# KiCad board Panel3-copy2.kicad_pcb (continued)
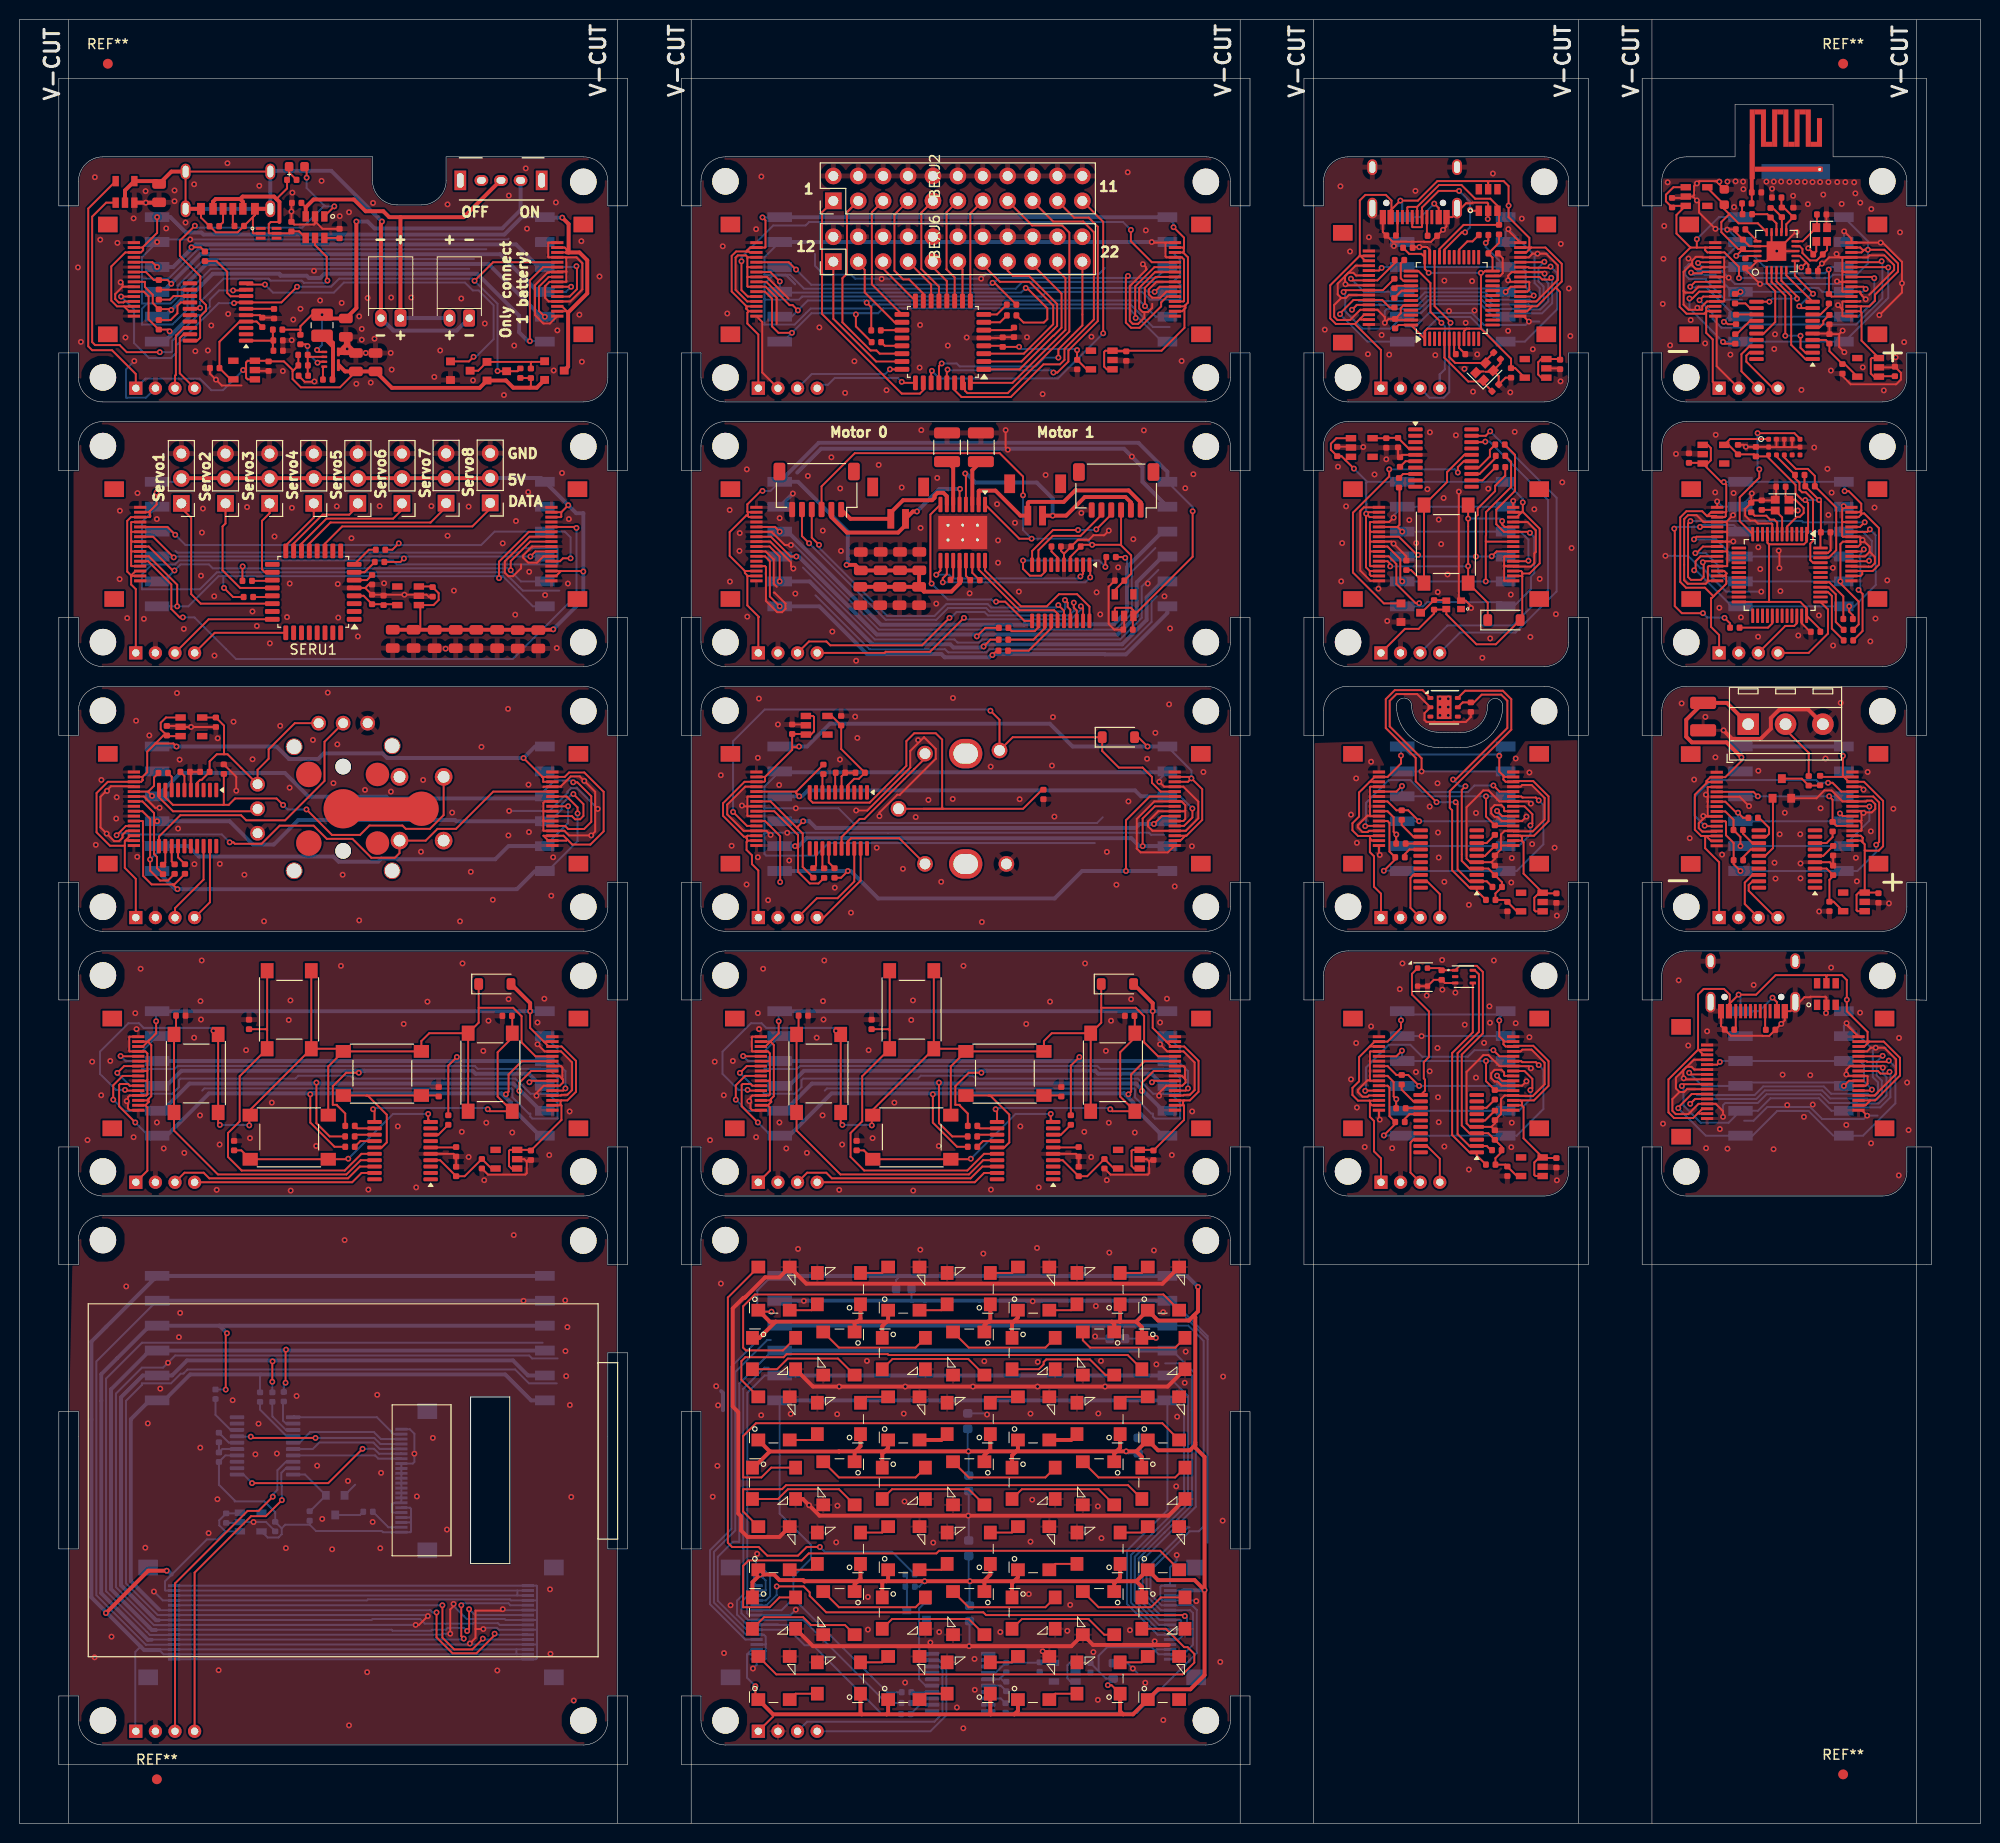
[diagram p0: board, top side]
## Nets (continued)
SCR_Net-(U3-PA6): SCRR4.1 SCRU3.13
SCR_Net-(U3-PA7): SCRR2.1 SCRU3.14
SCR_PS: SCRJ1.3 SCRJ2.4 SCRJ5.5 SCRJ6.5 SCRR1.2
SCR_RESET: SCRJ3.3 SCRU3.15
SCR_S_MISO: SCRU3.10
SCR_S_MOSI: SCRJ3.2 SCRU3.11
SCR_S_SCK: SCRJ3.6 SCRU3.1
SCR_SCLK: SCRJ1.4 SCRJ2.3 SCRJ5.7 SCRJ6.7 SCRR3.2
SCR_SWDCLK: SCRJ4.4 SCRU3.19
SCR_SWDIO: SCRJ4.3 SCRU3.18
SCR_TE: SCRJ3.4 SCRU3.7
SCR_unconnected-(U2-NC-Pad4): SCRU2.4
SCR_VDD: SCRC2.1 SCRC9.1 SCRJ3.17 SCRJ3.19 SCRJ3.20 SCRJ3.22 SCRR7.2 SCRU2.5 SCRU3.4
SER_5V: SERC5.1 SERC6.1 SERC7.1 SERC8.1 SERC10.1 SERC11.1 SERC12.1 SERC13.1 SERC14.1 SERJ1.1 SERJ2.2 SERJ3.6 SERJ4.1 SERJ5.2 SERJ6.2 SERJ7.2 SERJ8.2 SERJ9.2 SERJ10.2 SERJ11.2 SERJ12.2 SERJ12.3 SERJ12.14 SERJ12.15 SERJ13.2 SERJ13.3 SERJ13.14 SERJ13.15 SERU2.1 SERU2.3
SER_GND: SERC3.2 SERC4.2 SERC5.2 SERC6.2 SERC7.2 SERC8.2 SERC9.2 SERC10.2 SERC11.2 SERC12.2 SERC13.2 SERC14.2 SERJ1.2 SERJ2.3 SERJ3.5 SERJ4.2 SERJ5.3 SERJ6.3 SERJ7.3 SERJ8.3 SERJ9.3 SERJ10.3 SERJ11.3 SERJ12.1 SERJ12.4 SERJ12.6 SERJ12.8 SERJ12.10 SERJ12.13 SERJ12.16 SERJ13.1 SERJ13.4 SERJ13.6 SERJ13.8 SERJ13.10 SERJ13.13 SERJ13.16 SERU1.5 SERU2.2
SER_Interrupt5V: SERJ12.12 SERJ13.12
SER_MISO: SERJ1.5 SERJ3.2 SERJ12.9 SERJ13.9 SERR7.2
SER_MOSI: SERJ1.6 SERJ3.1 SERJ12.11 SERJ13.11 SERR8.2
SER_Net-(U1-NRST): SERC4.1 SERU1.6
SER_Net-(U1-PA0): SERR5.1 SERU1.7
SER_Net-(U1-PA1): SERR6.1 SERU1.8
SER_Net-(U1-PA9/NC): SERR7.1 SERU1.19
SER_Net-(U1-PA10/NC): SERR8.1 SERU1.21
SER_PS: SERJ1.3 SERJ3.4 SERJ12.5 SERJ13.5 SERR6.2
SER_PWM1: SERJ2.1 SERU1.22
SER_PWM2: SERJ5.1 SERU1.20
SER_PWM3: SERJ6.1 SERU1.18
SER_PWM4: SERJ7.1 SERU1.16
SER_PWM5: SERJ8.1 SERU1.15
SER_PWM6: SERJ9.1 SERU1.14
SER_PWM7: SERJ10.1 SERU1.13
SER_PWM8: SERJ11.1 SERU1.11
SER_PWM9: SERU1.27
SER_PWM10: SERU1.30
SER_SCLK: SERJ1.4 SERJ3.3 SERJ12.7 SERJ13.7 SERR5.2
SER_SWDCLK: SERJ4.4 SERU1.25
SER_SWDIO: SERJ4.3 SERU1.24
SER_unconnected-(U1-PA2-Pad9): SERU1.9
SER_unconnected-(U1-PA3-Pad10): SERU1.10
SER_unconnected-(U1-PA5-Pad12): SERU1.12
SER_unconnected-(U1-PA12/PA10-Pad23): SERU1.23
SER_unconnected-(U1-PA15-Pad26): SERU1.26
SER_unconnected-(U1-PB2-Pad17): SERU1.17
SER_unconnected-(U1-PB4-Pad28): SERU1.28
SER_unconnected-(U1-PB5-Pad29): SERU1.29
SER_unconnected-(U1-PB7-Pad31): SERU1.31
SER_unconnected-(U1-PB8-Pad32): SERU1.32
SER_unconnected-(U1-PB9-Pad1): SERU1.1
SER_unconnected-(U1-PC14-Pad2): SERU1.2
SER_unconnected-(U1-PC15-Pad3): SERU1.3
SER_unconnected-(U2-NC-Pad4): SERU2.4
SER_VDD: SERC3.1 SERC9.1 SERU1.4 SERU2.5
TMP_5V: TMPC8.1 TMPJ1.1 TMPJ2.6 TMPJ3.2 TMPJ3.3 TMPJ3.14 TMPJ3.15 TMPJ4.1 TMPJ5.2 TMPJ5.3 TMPJ5.14 TMPJ5.15 TMPU2.1 TMPU2.3
TMP_/DAP: TMPU1.7
TMP_GND: TMPC1.2 TMPC2.2 TMPC3.2 TMPC8.2 TMPC9.2 TMPJ1.2 TMPJ2.5 TMPJ3.1 TMPJ3.4 TMPJ3.6 TMPJ3.8 TMPJ3.10 TMPJ3.13 TMPJ3.16 TMPJ4.2 TMPJ5.1 TMPJ5.4 TMPJ5.6 TMPJ5.8 TMPJ5.10 TMPJ5.13 TMPJ5.16 TMPU1.2 TMPU2.2 TMPU3.5
TMP_Interrupt5V: TMPJ3.12 TMPJ5.12
TMP_MISO: TMPJ1.5 TMPJ2.2 TMPJ3.9 TMPJ5.9 TMPR4.2
TMP_MOSI: TMPJ1.6 TMPJ2.1 TMPJ3.11 TMPJ5.11 TMPR2.2
TMP_Net-(U3-NRST): TMPC1.1 TMPU3.6
TMP_Net-(U3-PA1): TMPR1.1 TMPU3.8
TMP_Net-(U3-PA5): TMPR3.1 TMPU3.12
TMP_Net-(U3-PA6): TMPR4.1 TMPU3.13
TMP_Net-(U3-PA7): TMPR2.1 TMPU3.14
TMP_PS: TMPJ1.3 TMPJ2.4 TMPJ3.5 TMPJ5.5 TMPR1.2
TMP_SCL: TMPR6.2 TMPU1.6 TMPU3.1
TMP_SCLK: TMPJ1.4 TMPJ2.3 TMPJ3.7 TMPJ5.7 TMPR3.2
TMP_SDA: TMPR5.2 TMPU1.1 TMPU3.2
TMP_SWDCLK: TMPJ4.4 TMPU3.19
TMP_SWDIO: TMPJ4.3 TMPU3.18
TMP_unconnected-(U1-NC-Pad3): TMPU1.3
TMP_unconnected-(U1-NC-Pad4): TMPU1.4
TMP_unconnected-(U2-NC-Pad4): TMPU2.4
TMP_unconnected-(U3-PA0-Pad7): TMPU3.7
TMP_unconnected-(U3-PA2-Pad9): TMPU3.9
TMP_unconnected-(U3-PA3-Pad10): TMPU3.10
TMP_unconnected-(U3-PA4-Pad11): TMPU3.11
TMP_unconnected-(U3-PA11/PA9-Pad16): TMPU3.16
TMP_unconnected-(U3-PA12/PA10-Pad17): TMPU3.17
TMP_unconnected-(U3-PB0/PB1/PB2/PA8-Pad15): TMPU3.15
TMP_unconnected-(U3-PB3/PB4/PB5/PB6-Pad20): TMPU3.20
TMP_unconnected-(U3-PC15-Pad3): TMPU3.3
TMP_VDD: TMPC2.1 TMPC3.1 TMPC9.1 TMPR5.1 TMPR6.1 TMPU1.5 TMPU2.5 TMPU3.4
USB_5V: USBC8.1 USBIC1.5 USBJ1.1 USBJ2.A4 USBJ2.A9 USBJ2.B4 USBJ2.B9 USBJ3.6 USBJ4.1 USBJ5.2 USBJ5.3 USBJ5.14 USBJ5.15 USBJ6.2 USBJ6.3 USBJ6.14 USBJ6.15 USBU2.1 USBU2.3
USB_GND: USBC1.2 USBC2.2 USBC4.1 USBC5.2 USBC6.1 USBC7.1 USBC8.2 USBC9.2 USBIC1.2 USBJ1.2 USBJ2.A1 USBJ2.A12 USBJ2.B1 USBJ2.B12 USBJ2.S1 USBJ3.5 USBJ4.2 USBJ5.1 USBJ5.4 USBJ5.6 USBJ5.8 USBJ5.10 USBJ5.13 USBJ5.16 USBJ6.1 USBJ6.4 USBJ6.6 USBJ6.8 USBJ6.10 USBJ6.13 USBJ6.16 USBR1.2 USBR2.1 USBU1.8 USBU1.23 USBU1.35 USBU1.44 USBU1.47 USBU2.2 USBY2.2 USBY2.4
USB_Interrupt5V: USBJ5.12 USBJ6.12
USB_MISO: USBJ1.5 USBJ3.2 USBJ5.9 USBJ6.9 USBR6.2
USB_MISO_UC: USBR6.1 USBU1.40
USB_MOSI: USBJ1.6 USBJ3.1 USBJ5.11 USBJ6.11 USBR4.2
USB_MOSI_UC: USBR4.1 USBU1.41
USB_Net-(J2-CC1): USBJ2.A5 USBR1.1
USB_Net-(J2-CC2): USBJ2.B5 USBR2.2
USB_Net-(U1-NRST): USBC4.2 USBU1.7
USB_OSC_IN: USBC6.2 USBU1.5 USBY2.1
USB_OSC_OUT: USBC7.2 USBU1.6 USBY2.3
USB_PS: USBJ1.3 USBJ3.4 USBJ5.5 USBJ6.5 USBR5.2
USB_PS_UC: USBR5.1 USBU1.29
USB_SCLK: USBJ1.4 USBJ3.3 USBJ5.7 USBJ6.7 USBR7.2
USB_SCLK_UC: USBR7.1 USBU1.39
USB_SWDCLK: USBJ4.4 USBU1.37
USB_SWDIO: USBJ4.3 USBU1.34
USB_unconnected-(IC1-I/04-Pad6): USBIC1.6
USB_unconnected-(IC1-I/O3-Pad4): USBIC1.4
USB_unconnected-(J2-SBU1-PadA8): USBJ2.A8
USB_unconnected-(J2-SBU2-PadB8): USBJ2.B8
USB_unconnected-(U1-PA0-Pad10): USBU1.10
USB_unconnected-(U1-PA1-Pad11): USBU1.11
USB_unconnected-(U1-PA2-Pad12): USBU1.12
USB_unconnected-(U1-PA3-Pad13): USBU1.13
USB_unconnected-(U1-PA4-Pad14): USBU1.14
USB_unconnected-(U1-PA5-Pad15): USBU1.15
USB_unconnected-(U1-PA6-Pad16): USBU1.16
USB_unconnected-(U1-PA7-Pad17): USBU1.17
USB_unconnected-(U1-PA9-Pad30): USBU1.30
USB_unconnected-(U1-PA10-Pad31): USBU1.31
USB_unconnected-(U1-PA15-Pad38): USBU1.38
USB_unconnected-(U1-PB0-Pad18): USBU1.18
USB_unconnected-(U1-PB1-Pad19): USBU1.19
USB_unconnected-(U1-PB2-Pad20): USBU1.20
USB_unconnected-(U1-PB6-Pad42): USBU1.42
USB_unconnected-(U1-PB7-Pad43): USBU1.43
USB_unconnected-(U1-PB8-Pad45): USBU1.45
USB_unconnected-(U1-PB9-Pad46): USBU1.46
USB_unconnected-(U1-PB10-Pad21): USBU1.21
USB_unconnected-(U1-PB11-Pad22): USBU1.22
USB_unconnected-(U1-PB12-Pad25): USBU1.25
USB_unconnected-(U1-PB13-Pad26): USBU1.26
USB_unconnected-(U1-PB14-Pad27): USBU1.27
USB_unconnected-(U1-PB15-Pad28): USBU1.28
USB_unconnected-(U1-PC13-Pad2): USBU1.2
USB_unconnected-(U1-PC14-Pad3): USBU1.3
USB_unconnected-(U1-PC15-Pad4): USBU1.4
USB_unconnected-(U2-NC-Pad4): USBU2.4
USB_USB_D+: USBIC1.3 USBJ2.A6 USBJ2.B6 USBR12.1 USBU1.33
USB_USB_D-: USBIC1.1 USBJ2.A7 USBJ2.B7 USBU1.32
USB_VDD: USBC1.1 USBC2.1 USBC5.1 USBC9.1 USBR12.2 USBU1.1 USBU1.9 USBU1.24 USBU1.36 USBU1.48 USBU2.5
WIR_5V: WIRC8.1 WIRC11.1 WIRJ1.1 WIRJ2.6 WIRJ3.2 WIRJ3.3 WIRJ3.14 WIRJ3.15 WIRJ4.1 WIRJ5.2 WIRJ5.3 WIRJ5.14 WIRJ5.15 WIRU1.1 WIRU1.3 WIRU2.1 WIRU2.3
WIR_GND: WIRAE1.2 WIRC1.2 WIRC2.2 WIRC3.2 WIRC4.2 WIRC5.2 WIRC6.2 WIRC7.2 WIRC8.2 WIRC9.2 WIRC11.2 WIRC12.2 WIRC13.2 WIRC14.2 WIRC15.2 WIRJ1.2 WIRJ2.5 WIRJ3.1 WIRJ3.4 WIRJ3.6 WIRJ3.8 WIRJ3.10 WIRJ3.13 WIRJ3.16 WIRJ4.2 WIRJ5.1 WIRJ5.4 WIRJ5.6 WIRJ5.8 WIRJ5.10 WIRJ5.13 WIRJ5.16 WIRR6.1 WIRU1.2 WIRU2.2 WIRU3.5 WIRU4.8 WIRU4.14 WIRU4.17 WIRU4.20 WIRU4.21 WIRY2.2 WIRY2.4
WIR_Interrupt5V: WIRJ3.12 WIRJ5.12
WIR_MISO: WIRJ1.5 WIRJ2.2 WIRJ3.9 WIRJ5.9 WIRR4.2
WIR_MOSI: WIRJ1.6 WIRJ2.1 WIRJ3.11 WIRJ5.11 WIRR2.2
WIR_Net-(AE1-A): WIRAE1.1 WIRC7.1 WIRC10.2
WIR_Net-(C10-Pad1): WIRC10.1 WIRL3.1
WIR_Net-(U3-NRST): WIRC1.1 WIRU3.6
WIR_Net-(U3-PA1): WIRR1.1 WIRU3.8
WIR_Net-(U3-PA5): WIRR3.1 WIRU3.12
WIR_Net-(U3-PA6): WIRR4.1 WIRU3.13
WIR_Net-(U3-PA7): WIRR2.1 WIRU3.14
WIR_Net-(U4-ANT1): WIRL1.1 WIRL4.2 WIRU4.12
WIR_Net-(U4-ANT2): WIRL1.2 WIRL3.2 WIRU4.13
WIR_Net-(U4-DVDD): WIRC3.1 WIRU4.19
WIR_Net-(U4-IREF): WIRR6.2 WIRU4.16
WIR_Net-(U4-VDD_PA): WIRC4.1 WIRC14.1 WIRL4.1 WIRU4.11
WIR_PS: WIRJ1.3 WIRJ2.4 WIRJ3.5 WIRJ5.5 WIRR1.2
WIR_SCLK: WIRJ1.4 WIRJ2.3 WIRJ3.7 WIRJ5.7 WIRR3.2
WIR_SWDCLK: WIRJ4.4 WIRU3.19
WIR_SWDIO: WIRJ4.3 WIRU3.18
WIR_unconnected-(U1-NC-Pad4): WIRU1.4
WIR_unconnected-(U2-NC-Pad4): WIRU2.4
WIR_unconnected-(U3-PA0-Pad7): WIRU3.7
WIR_unconnected-(U3-PA12/PA10-Pad17): WIRU3.17
WIR_unconnected-(U3-PB0/PB1/PB2/PA8-Pad15): WIRU3.15
WIR_unconnected-(U3-PB3/PB4/PB5/PB6-Pad20): WIRU3.20
WIR_unconnected-(U3-PC15-Pad3): WIRU3.3
WIR_VDD: WIRC2.1 WIRC12.1 WIRU2.5 WIRU3.4
WIR_VDD_NRF: WIRC9.1 WIRC13.1 WIRC15.1 WIRU1.5 WIRU4.7 WIRU4.15 WIRU4.18
WIR_W_CSN: WIRU3.2 WIRU4.2
WIR_W_Enable: WIRU3.16 WIRU4.1
WIR_W_INT: WIRU3.9 WIRU4.6
WIR_W_MISO: WIRU3.10 WIRU4.5
WIR_W_MOSI: WIRU3.11 WIRU4.4
WIR_W_SCK: WIRU3.1 WIRU4.3
WIR_XC13: WIRC5.1 WIRU4.10 WIRY2.1
WIR_XC23: WIRC6.1 WIRU4.9 WIRY2.3

Pads without a net: DIASW7 1 2; MOTJ2 MP; MOTJ6 MP; MOTJ8 0; MOTJ9 0; SCRJ3 A B

## Via types
v1: diameter 0.6, hole 0.3, Top to Bottom, 1157 vias

## Routing (per net, layer and track width the routed paths; a pad name or vN(x,y) marks a point on that pad's centre or on a via; arc(x,y) is an arc through that point)
BAT_5V: length 82.2
  Top w0.2: BATJ3.15 55.6,160.75 55.8,160.55 55.8,160.25 BATJ3.14 ; BATJ3.3 55.32,154.75 55.95,154.12 55.82,154.25 BATJ3.2 ; 10.65,154.75 9.93,154.75 9.35,155.33 9.35,158.82 10.78,160.25 BATJ1.3 12.38,160.25 12.6,160.47 12.6,160.68 12.53,160.75 ; 10.65,154.75 11.15,154.25 BATJ1.15 ; 10.65,154.75 BATJ1.14 ; v1(14.03,163.85) 14.03,162.25 12.53,160.75 ; BATJ1.2 12.53,160.75
  Top w0.4: 55.6,148.2 BATQ6.3 55.95,148.6 55.95,154.12 57.9,156.07 57.9,159.45 57.1,160.25 56,160.25 ; 56,160.25 56,163.15 v1(55.35,163.8) ; 56,160.25 55.8,160.25
  Bottom w0.2: 51.58,163.85 53.58,163.85
  Bottom w0.4: 53.58,163.85 53.62,163.8 v1(55.35,163.8) ; v1(14.03,163.85) 15.39,163.85 16.96,162.28 18.55,162.28 18.75,162.07 49.45,162.07 51.23,163.85 51.58,163.85
BAT_/USB_5V: length 19.7
  Top w0.2: 26.2,165.7 27.28,166.78 BATR16.1 ; 26.5,163.35 25.61,163.35 25.41,163.15 25.41,162.25 25.46,162.2 BATIC1.5 27.52,162.2 BATC13.1 28.51,162.4 BATU8.4
  Top w0.4: BATJ2.A9 19.73,165.43 20,165.7 22.5,165.7 ; 26.5,163.35 26.5,165.4 25.95,165.95 22.75,165.95 22.5,165.7 ; 22.5,165.7 22.77,165.43 BATJ2.B9
BAT_BATTERY_CURRENT: length 35.6
  Top w0.2: v1(14.3,150.07) 10.93,150.07 10.2,150.8 7.7,150.8 7.4,151.1 7.4,163.9 8.82,165.32 BATU6.1 ; v1(21.77,156.38) 23.02,156.38 BATU3.9
  Bottom w0.2: v1(14.3,150.07) 15.47,150.07 15.57,150.18 15.57,151.24 18.18,153.85 18.51,153.85 19.4,154.74 19.4,155.43 20.35,156.38 v1(21.77,156.38)
BAT_CHRG: length 36.1
  Top w0.2: v1(17.88,162.97) 16.35,161.45 16.35,159.9 18.44,157.81 18.43,157.8 18.43,155.47 19.01,154.89 19.01,154.3 18.41,153.7 18.41,151.55 18.11,151.25 BATU3.20 ; 31.08,163.93 31.08,163.93 v1(32.1,164.95) ; BATD2.1 29.27,168.79 v1(29.27,167.88)
  Bottom w0.2: v1(17.88,162.97) 18.07,162.78 28.82,162.78 31.07,165.03 ; 31.07,165.03 31.15,164.95 v1(32.1,164.95) ; 31.07,165.03 29.27,166.82 v1(29.27,167.88)
BAT_ENABLE_5V: length 35.8
  Top w0.2: v1(46.3,149.6) 45.84,149.13 43.95,149.13 ; v1(25.02,156.97) 23.23,156.97 BATU3.10
  Bottom w0.2: v1(46.3,149.6) 46.55,149.6 48.35,151.4 48.35,154.84 46.82,156.38 46.23,156.38 45.42,157.18 33.08,157.18 32.05,156.15 25.85,156.15 v1(25.02,156.97)
BAT_GND: length 225.1
  Top w0.2: v1(10.3,157.2) 10.5,157 10.5,156.75 ; 55.7,159.75 55.77,159.68 55.77,158.28 ; 55.7,159.75 56.8,159.75 57.4,159.15 57.4,156.49 56.16,155.25 BATJ3.4 53.97,155.25 53.6,155.62 53.6,156.8 54.05,157.25 BATJ3.8 55.72,157.25 55.77,157.3 55.77,158.28 ; 55.7,159.75 BATJ3.13 53.97,159.75 53.92,159.8 53.92,161.2 53.97,161.25 BATJ3.16 ; 30.13,163.42 30.13,163.93 30.13,163.42 ; 30.13,163.42 30.89,162.66 BATR17.2 ; 30.13,163.42 30.13,163.19 30.03,163.09 28,163.09 BATC13.2 v1(27.73,164.43) 27.73,165.25 BATC14.2 ; 55.77,158.28 55.75,158.3 54.9,158.3 BATJ3.10 54.05,158.25 54,158.2 53.85,158.2 52.58,156.92 52.58,153.84 53.42,153 54.09,153 BATJ3.1 ; BATC8.2 24.09,148.16 ; BATU3.5 24.5,153.85 BATC2.2 25.86,153.6 BATC1.2 ; 22.63,146.68 20.62,146.68 v1(20.02,147.28) 19.41,147.88 BATC9.2 ; BATR10.2 29.07,147.06 30.04,147.06 v1(30.07,147.09) ; 10.5,156.75 BATJ1.10 ; 10.5,156.75 9.75,156 9.75,155.5 10.1,155.15 10.6,155.15 10.7,155.25 BATJ1.13
  Top w0.4: 33.54,151.03 33.54,150.75 BATC11.2 ; BATC11.2 33.43,149.99 ; BATC11.2 33.43,149.99 ; BATC5.2 33.27,150.81 32.56,150.1 32.68,149.99 33.43,149.99 ; 33.43,149.99 33.11,150.3 33.29,150.47 33.36,150.47 ; BATU6.3 v1(12.88,165.32) 14.19,165.32 BATR13.2 ; 33.54,150.28 v1(33.41,150.41) 33.36,150.45
  Bottom w0.2: 30.15,158.57 19.5,158.57 17.12,156.2 17.12,154.44 15.57,152.89 12.47,152.89 12.47,154.49 13.04,155.05 12.47,155.05 12.47,157.57 ; 30.15,158.57 45.86,158.57 ; 30.15,158.57 30.15,158.5 v1(30.02,158.38) ; 12.47,157.57 12.47,159.76 v1(14.03,161.31) 14.29,161.57 v1(17.4,161.57) 49.8,161.57 49.88,161.65 ; 12.47,157.57 15.18,157.57 18.18,160.57 47.6,160.57 ; 46.35,159.57 18.84,159.57 16.12,156.86 16.12,155.75 15.43,155.05 13.3,155.05 ; v1(11.7,149.18) 10.85,148.32 10.85,145.45 10.88,145.43 12.88,145.43 BATJ4.2
  vias: v1(5.95,158.72) v1(6.25,151.12) v1(7.67,167.93) v1(8.22,161.55) v1(9.97,161.22) v1(10.8,151.57) v1(11.62,163.72) v1(12.85,166.5) v1(14.95,162.7) v1(15.8,166.57) v1(15.8,165.47) v1(16.93,163.3) v1(17.8,167.2) v1(17.93,150.18) v1(19.2,150.25) v1(19.55,152.8) v1(21.2,169.35) v1(21.27,153.97) v1(24.45,167.05) v1(26.85,148.15) v1(27.82,166.35) v1(27.75,151.3) v1(27.91,153.4) v1(28.65,154.5) v1(30.65,155.35) v1(30.8,167.55) v1(32.65,163.95) v1(32.85,155.1) v1(33.6,164.35) v1(34.35,146.85) v1(34.64,153.72) v1(34.9,152.45) v1(34.9,151.35) v1(35.3,150) v1(35.5,155.6) v1(35.81,146.97) v1(36.05,165.3) v1(36.2,151.45) v1(37.9,155.65) v1(37.85,150) v1(37.95,148.3) v1(39.95,155.65) v1(42.3,147.55) v1(42.9,150.25) v1(43.65,165.15) v1(45.05,155.55) v1(46.25,147.2) v1(47.45,153) v1(49.4,145.7) v1(49.9,166.05) v1(50.45,150.75) v1(51.62,168.82) v1(51.75,162.68) v1(54.48,148.21) v1(54.7,165.35) v1(54.85,152.3) v1(57.1,153.9) v1(57.3,161.4) v1(57.35,149.1) v1(59.15,157.8)
BAT_INT_5V: length 82.8
  Top w0.2: BATU6.5 7,164.72 7,150.68 7.4,150.28 9.43,150.28 11.85,147.85 BATJ4.1 ; 36.04,147.85 BATC10.1 36.72,147.7 ; 23.1,148.3 23.05,148.25 v1(22.8,148.25) ; 23.1,148.3 23.1,147.47 23.27,147.3 BATU2.1 ; 23.1,148.3 23.1,149.03 23.27,149.2 BATU2.3 25.34,149.2 25.4,149.13 26.96,149.13 27.9,148.2 ; 52,146.45 52.15,146.6 BATR19.1 51.09,147.44 BATR20.1 ; 32.56,148.75 32.52,148.75 ; 27.9,148.2 27.84,148.13 27.84,147.33 28.69,146.49 32.67,146.49 BATC11.1 ; 27.9,148.2 BATR9.1 28.43,149.78 BATC7.1
  Top w0.4: 32.56,148.75 33.2,148.11 BATC11.1 BATC10.1 37.98,146.44 46.92,146.44 47.67,147.19 49.62,147.19 50.35,146.45 52.75,146.45 BATQ6.2 53.55,147.03
  Bottom w0.2: BATJ4.1 12.82,147.38 18.38,147.38 19.55,146.2 20.75,146.2 v1(22.8,148.25)
BAT_Interrupt5V: length 67.7
  Top w0.2: v1(21.88,155.07) 21.95,155.15 BATU3.7 26.7,155.15 v1(28.3,156.75) ; BATJ3.12 48.3,159.25 v1(46.41,157.36) ; v1(10.35,155.75) BATJ1.12 ; BATR20.2 50.79,148.13 BATQ2.3 48.77,148.13 v1(48.75,148.15)
  Bottom w0.2: v1(48.75,148.15) 48.75,155.01 v1(46.41,157.36) 46.19,157.57 32.6,157.57 31.77,156.75 v1(28.3,156.75) ; v1(10.35,155.75) 11.68,154.43 11.68,151 13.2,149.47 15.44,149.47 15.97,150.01 15.97,150.75 20.3,155.07 v1(21.88,155.07)
BAT_MISO: length 56.1
  Top w0.2: v1(15.47,154.38) 15.38,154.47 BATR4.2 13.58,155.09 13.58,155.93 12.78,156.73 12.78,157.25 BATJ1.9 ; BATJ3.9 53.97,157.75 52.98,156.75 52.98,154.29 v1(53.58,153.69)
  Bottom w0.4: BATJ7.5 14.78,153.69 v1(15.47,154.38) 16.62,155.54 16.62,156.65 19.05,159.07 47.83,159.07 53.21,153.69 v1(53.58,153.69)
BAT_MOSI: length 64.6
  Top w0.2: BATJ3.11 53.4,158.75 52.05,157.4 v1(52.05,151.2) ; BATJ1.11 12.68,156.25 13.15,155.78 13.15,153.43 BATR2.2 15.12,152.38 v1(15.3,152.2)
  Bottom w0.2: 15.34,151.71 15.3,151.75 v1(15.3,152.2) ; 53.58,151.15 53.52,151.2 v1(52.05,151.2)
  Bottom w0.4: v1(52.05,151.2) 51.85,151.2 50.95,152.1 50.95,153.8 46.67,158.07 31.1,158.07 30.68,157.65 29.5,157.65 29.27,157.88 26.62,157.88 26.6,157.9 26.6,157.97 26.5,158.07 19.71,158.07 17.65,156.02 17.65,154.03 14.78,151.15 BATJ7.6
BAT_Net-(D2-A): length 1.7
  Top w0.2: BATD2.2 27.49,168.41 BATR16.2
BAT_Net-(J2-CC1): length 1.8
  Top w0.2: BATR12.1 21.75,163.12 BATJ2.A5
BAT_Net-(J2-CC2): length 1.9
  Top w0.2: BATR11.1 20.75,163.32 BATJ2.B5
BAT_Net-(Q2-G): length 8.7
  Top w0.2: 52.23,149.09 53.48,149.09 BATQ6.1 ; 52.23,149.09 BATQ2.1 46.77,148.19 BATQ5.3 ; 52.23,149.09 52.15,149.01 BATR19.2
BAT_Net-(SW1-B): length 39.4
  Top w0.2: 29.18,164.85 28.75,165.29 BATC14.1
  Top w0.4: 38.85,163.85 37.7,163.85 37.1,164.45 35.3,164.45 34.1,165.65 29.98,165.65 29.18,164.85 29.18,163.93 ; 38.85,163.85 45.3,163.85 49.1,167.65 ; 38.85,163.85 BATJ5.1
  Bottom w0.4: BATJ5.1 BATJ8.2
BAT_Net-(U3-NRST): length 2.9
  Top w0.2: BATC1.1 25.93,154.5 BATU3.6
BAT_Net-(U3-PA1): length 7
  Top w0.2: 23.12,155.78 BATU3.8 23,155.8 22.98,155.78 21.53,155.78 21.18,156.13 21.18,158.28 20.09,159.37 BATR1.1
BAT_Net-(U3-PA5): length 3.2
  Top w0.2: BATU3.12 14.21,156.45 BATR3.1
BAT_Net-(U3-PA6): length 3.3
  Top w0.2: BATU3.13 15.7,155.8 15.34,155.44 14.2,155.44
BAT_Net-(U3-PA7): length 4.4
  Top w0.2: BATU3.14 16.45,155.15 16.09,154.8 16.09,154.04 15.4,153.35 BATR2.1
BAT_Net-(U5-CBST): length 1.4
  Top w0.2: BATC6.2 30.94,148.47 BATU5.1
BAT_Net-(U5-EN): length 3.7
  Top w0.2: BATU5.2 30.49,149.1 v1(30.39,149) ; BATR18.2 29.18,150.88 v1(29.36,150.7)
  Bottom w0.2: v1(30.39,149) 29.36,150.02 v1(29.36,150.7)
BAT_Net-(U5-FB): length 3.9
  Top w0.2: 29.39,148.74 BATR9.2 ; 29.39,148.74 BATC7.2 29.59,149.6 BATU5.3 ; 29.39,148.74 29.39,147.72 BATR10.1
BAT_Net-(U5-SW): length 5.5
  Top w0.2: BATC6.1 31.94,147.3 31.94,147.53 ; 31.96,149.34 31.98,149.35 31.96,149.36
  Top w0.4: 31.96,150.63 31.96,151.03 31.86,151.12 ; 31.96,150.63 31.96,149.36 ; 31.96,150.63 BATL1.1 ; 31.96,149.35 31.96,147.56 31.91,147.5
BAT_Net-(U8-PROG): length 1.6
  Top w0.2: BATR17.1 32.6,161.72 BATU8.6
BAT_PS: length 53.7
  Top w0.2: BATJ3.5 56.1,155.75 56.85,156.5 56.85,158.8 v1(56.8,158.85) ; v1(17.53,160.77) 18.46,160.77 18.9,160.34 ; v1(14.03,158.77) 13.54,159.25 BATJ1.5
  Bottom w0.2: 53.58,158.77 56.72,158.77 v1(56.8,158.85) ; 17.53,160.63 v1(17.53,160.77)
  Bottom w0.4: 53.58,158.77 52.93,158.77 50.62,161.07 17.97,161.07 15.67,158.77 v1(14.03,158.77)
BAT_REAL_GND: length 81.1
  Top w0.2: 23.8,163.86 24,164.06 ; 23.8,163.86 24,164.06 ; 23.8,163.86 23.8,162.25 23.84,162.2 BATIC1.2 ; 23.8,163.86 BATR12.2 22.24,162.31 20.01,162.31 19.39,162.93 BATR11.2 18.5,163.81 BATJ2.A12 ; 24,164.06 BATJ2.B12 ; BATJ2.S1 BATJ2.S1 BATJ2.S1
  Top w0.4: BATJ2.S1 15.49,168.5 BATR13.1 13.94,167.53 BATU6.4 10.75,166.57 BATU6.2 ; v1(36.96,163.4) 36.85,163.29 BATJ5.2 ; BATJ2.B12 BATJ2.S1 ; BATJ2.A12 BATJ2.S1
  Bottom w0.4: v1(36.96,163.4) 31.79,168.57 25.64,168.57 BATJ2.S1 BATJ2.S1 BATJ2.S1 ; BATJ5.2 38.12,152.28 44.58,152.28 BATJ8.1
BAT_SCLK: length 51.7
  Top w0.2: BATJ1.7 12.88,158.25 13.7,157.44 15.09,157.44 v1(15.47,157.05) ; BATJ3.7 v1(56.25,156.75)
  Bottom w0.2: v1(15.47,157.05) 15.22,156.8 15.18,156.8 ; 53.58,156.23 55.73,156.23 v1(56.25,156.75)
  Bottom w0.4: BATJ7.4 14.61,156.23 18.45,160.07 49.02,160.07 52.87,156.23 53.58,156.23
BAT_STBY: length 20.8
  Top w0.2: v1(18.41,154.6) 18.31,154.5 BATU3.15 ; v1(31.4,157.38) 31.32,157.45 31.32,159.8 30.13,161 BATU8.5
  Bottom w0.2: v1(31.4,157.38) 31.4,157.35 31.2,157.15 29,157.15 28.77,157.38 25.6,157.38 25.4,157.57 20.8,157.57 18.41,155.18 v1(18.41,154.6)
BAT_SWDCLK: length 6.9
  Top w0.2: BATU3.19 16.72,151.9 16.34,151.52 16.34,147.91 BATJ4.4
BAT_SWDIO: length 7.2
  Top w0.2: BATJ4.3 15.85,147.68 15.94,147.76 15.94,151.77 16.72,152.55 BATU3.18
BAT_SWITCHED_VBAT: length 43.9
  Top w0.2: v1(30.85,153.9) 29.82,153.9 28.64,152.72 28.64,152.35 ; BATR14.1 28.61,152.38 28.64,152.35 ; 28.64,152.35 BATR18.1 ; BATU5.4 30.54,150.1 v1(30.34,150.3)
  Top w0.4: v1(30.85,153.9) 31.24,153.51 BATC5.1 34.35,154.59 v1(34.35,163.4)
  Bottom w0.2: v1(30.34,150.3) 30.85,150.81 v1(30.85,153.9)
  Bottom w0.4: v1(34.35,163.4) 35.5,163.4 36.2,162.7 49.23,162.7 51.1,164.57 51.1,167.65
BAT_VBAT_REF: length 5.1
  Top w0.2: 25.86,151.25 25.86,151.17 25.83,151.15 ; 25.86,151.25 BATU3.1 ; 25.86,151.25 BATC3.1 ; BATR15.1 25.83,150.28 25.83,151.15 ; BATR14.2 25.83,151.15
BAT_VDD: length 10.1
  Top w0.2: 24.78,152.6 BATC2.1 24.18,153.2 BATU3.4 22.44,153.2 20.38,151.14 BATC9.1 21.54,147.3 BATU2.5
BEX_5V: length 95.4
  Top w0.2: 118.81,154.49 118.58,154.25 BEXJ7.2 ; 118.81,154.49 118.92,154.59 118.92,154.88 ; 118.81,154.49 118.81,152.56 116.47,150.22 BEXU2.3 ; 74.17,160.35 74.17,160.43 74.5,160.75 BEXJ5.2 76.03,160.75 76.08,160.8 76.08,163.52 v1(75.78,163.82) ; 74.17,160.35 74.38,160.35 74.47,160.25 BEXJ5.3 ; 74.17,160.35 73.08,160.35 72.63,159.9 72.63,156.27 74.15,154.75 ; 74.15,154.75 74.15,154.57 74.1,154.53 74.38,154.25 ; 74.15,154.75 BEXJ5.14 ; 118.67,160.25 119.17,159.75 119.17,155.13 118.92,154.88 ; 118.67,160.25 BEXJ7.14 ; 118.67,160.25 118.75,160.33 118.75,160.68 ; 118.92,154.88 118.79,154.75 BEXJ7.3 ; 118.75,160.68 118.77,160.69 118.77,161.75 v1(117.7,162.82) ; 118.75,160.68 118.67,160.75 BEXJ7.15 ; BEXU2.3 110.75,150.22 110.62,150.1 110.62,148.6 110.9,148.32 BEXU2.1 ; BEXU2.3 111.54,150.16 BEXC8.1 ; 74.38,154.25 74.23,154.1 74.23,153 75.35,151.88 BEXJ4.1 ; 74.38,154.25 BEXJ5.15
  Bottom w0.2: v1(75.78,163.82) 77.5,163.82 BEXJ1.1 ; BEXJ3.6 117.7,163.22 v1(117.7,162.82)
  Bottom w0.4: BEXJ1.1 BEXJ3.6
BEX_GND: length 291
  Top w0.2: BEXJ7.4 118.72,155.25 118.77,155.3 118.77,159.53 118.55,159.75 BEXJ7.13 116.97,159.75 116.88,159.84 116.88,161.18 116.95,161.25 ; BEXJ7.8 115.95,157.25 115.17,156.48 115.17,155.98 115.53,155.62 116.34,155.62 116.97,156.25 BEXJ7.6 ; 74.23,158.78 74.25,158.75 BEXJ5.6 ; 74.23,158.78 74.23,159.7 74.28,159.75 ; 74.23,158.78 74.23,157.75 ; 114.72,154.17 114.55,154.17 114.19,154.52 114.19,156.63 115.82,158.25 BEXJ7.10 ; 114.72,154.17 115.09,154.17 115.53,154.6 115.53,155 ; 114.72,154.17 114.72,153.6 114.09,152.96 113.54,152.96 113.24,153.26 113.24,156.8 114.89,158.46 ; 114.89,158.46 114.98,158.55 ; 114.89,158.46 114.89,158.73 v1(114.58,159.05) ; 74.28,159.75 74.08,159.95 73.25,159.95 73.03,159.73 73.03,156.43 74.21,155.25 BEXJ5.13 ; 74.28,159.75 BEXJ5.4 ; BEXJ7.16 116.95,161.25 ; 116.95,161.25 115.53,161.25 v1(115.47,161.31) ; BEXC3.2 100.31,151.62 BEXC4.2 100.22,151.53 BEXU1.5 ; BEXJ5.16 75.75,153.16 75.75,148 BEXJ4.2 ; 78.42,155.55 76.23,157.75 BEXJ5.8 74.23,157.75 ; 77.22,152.95 77.22,155.62 76.1,156.75 BEXJ5.10 74.28,156.75 74.23,156.8 74.23,157.75
  Bottom w0.2: 117.78,160.07 118.38,159.47 118.38,157.97 117.66,157.25 102.3,157.25 101.6,156.55 80,156.55 78.58,157.97 75.97,157.97 ; 117.3,152.65 115.6,152.65 113.3,154.95 87.07,154.95 86.65,154.53 80.68,154.53 79.04,152.89 75.97,152.89 75.97,155.55 ; 75.97,155.55 75.97,155.43 79.5,155.43 79.76,155.69 ; 75.97,155.55 75.97,157.03 76.83,157.89 78.22,157.89 79.1,157 78.14,157.97 75.97,157.97 ; 81.12,160.1 81.12,158.89 82.04,157.97 84.83,157.97 85.22,157.57 v1(98.08,157.57) 98.55,158.05 110.1,158.05 110.7,158.65 ; 118.17,157.18 118.4,156.95 118.4,155.46 118.38,155.43 115.28,155.43 114.49,156.22 104.72,156.22 104.25,155.75 79.83,155.75 79.76,155.69 ; 79.76,155.69 79.8,155.72 ; BEXJ1.2 75.97,159.76 75.97,157.97
  Bottom w0.4: BEXJ1.2 v1(115.47,161.31) BEXJ3.5
  vias: v1(71.72,160.88) v1(72.18,154.02) v1(75.12,162.62) v1(75.66,167.99) v1(81.58,152.6) v1(84.2,145.93) v1(85.15,149.15) v1(87.92,157.55) v1(88.42,146.2) v1(91.85,152.85) v1(91.8,148.5) v1(94.67,150.75) v1(96.6,151.57) v1(102.75,151.6) v1(104.35,145.8) v1(109.33,151.65) v1(113.03,168.43) v1(114.88,162.5) v1(118.53,149.18)
BEX_Interrupt5V: length 53.3
  Top w0.2: BEXJ7.12 115.48,159.25 113.35,161.38 v1(113.35,162.55) ; BEXJ5.12 74.28,155.75 73.63,156.4 v1(73.63,159.35)
  Bottom w0.2: v1(113.35,162.55) 113.38,162.53 112.55,163.35 80.53,163.35 80.17,163 76.86,163 73.63,159.76 v1(73.63,159.35)
BEX_MISO: length 55.2
  Top w0.2: v1(114.8,154.77) 114.78,154.79 114.78,156.64 115.88,157.75 BEXJ7.9 ; v1(79.39,154.34) 78.85,154.88 78.54,154.88 76.16,157.25 BEXJ5.9 ; BEXR6.2 86.87,154.66 v1(86.4,155.13)
  Bottom w0.2: v1(86.4,155.13) 86.18,155.35 86.1,155.35 ; BEXJ1.5 78.74,153.69 v1(79.39,154.34) 80.4,155.35 86.1,155.35 ; 86.1,155.35 114.22,155.35 v1(114.8,154.77) 115.88,153.69 BEXJ3.2
BEX_MOSI: length 60.9
  Top w0.2: v1(78.78,152.05) 77.4,152.05 76.75,152.7 76.75,155.53 76.03,156.25 BEXJ5.11 ; BEXR7.2 85.3,152.7 v1(85.3,153.93) ; v1(113.84,153.56) 113.8,153.61 113.8,156.8 115.75,158.75 BEXJ7.11
  Bottom w0.2: BEXJ3.1 116.53,151.15 113.13,154.55 88.08,154.55 87.58,154.05 80.78,154.05 v1(78.78,152.05) 77.88,151.15 ; 114.12,153.56 v1(113.84,153.56)
BEX_Net-(U1-NRST): length 3.2
  Top w0.2: BEXU1.6 101.17,152.32 BEXC3.1
BEX_Net-(U1-PA0): length 2.6
  Top w0.2: BEXR5.1 100,153.12 BEXU1.7
BEX_Net-(U1-PA1): length 2.8
  Top w0.2: BEXR8.1 99.69,153.93 BEXU1.8
BEX_Net-(U1-PA9/NC): length 2.2
  Top w0.2: BEXR6.1 87.86,152.32 BEXU1.19
BEX_Net-(U1-PA10/NC): length 2.3
  Top w0.2: BEXU1.21 88.25,150.72 BEXR7.1
BEX_P1: length 14.3
  Top w0.2: BEXU1.23 87.36,149.12 83,153.48 83,159
BEX_P2: length 8.4
  Top w0.2: 85.54,159 85.54,159.13 86.2,158.47 86.2,156.18 89.25,153.12 BEXU1.18
BEX_P3: length 5.1
  Top w0.2: 88.08,159 88.08,158.59 BEXU1.16
BEX_P4: length 4.9
  Top w0.2: BEXU1.14 92.97,156.97 90.95,159 90.62,159
